# Allegro board pc053c_toplevel_33_movecvcc.brd (continued)
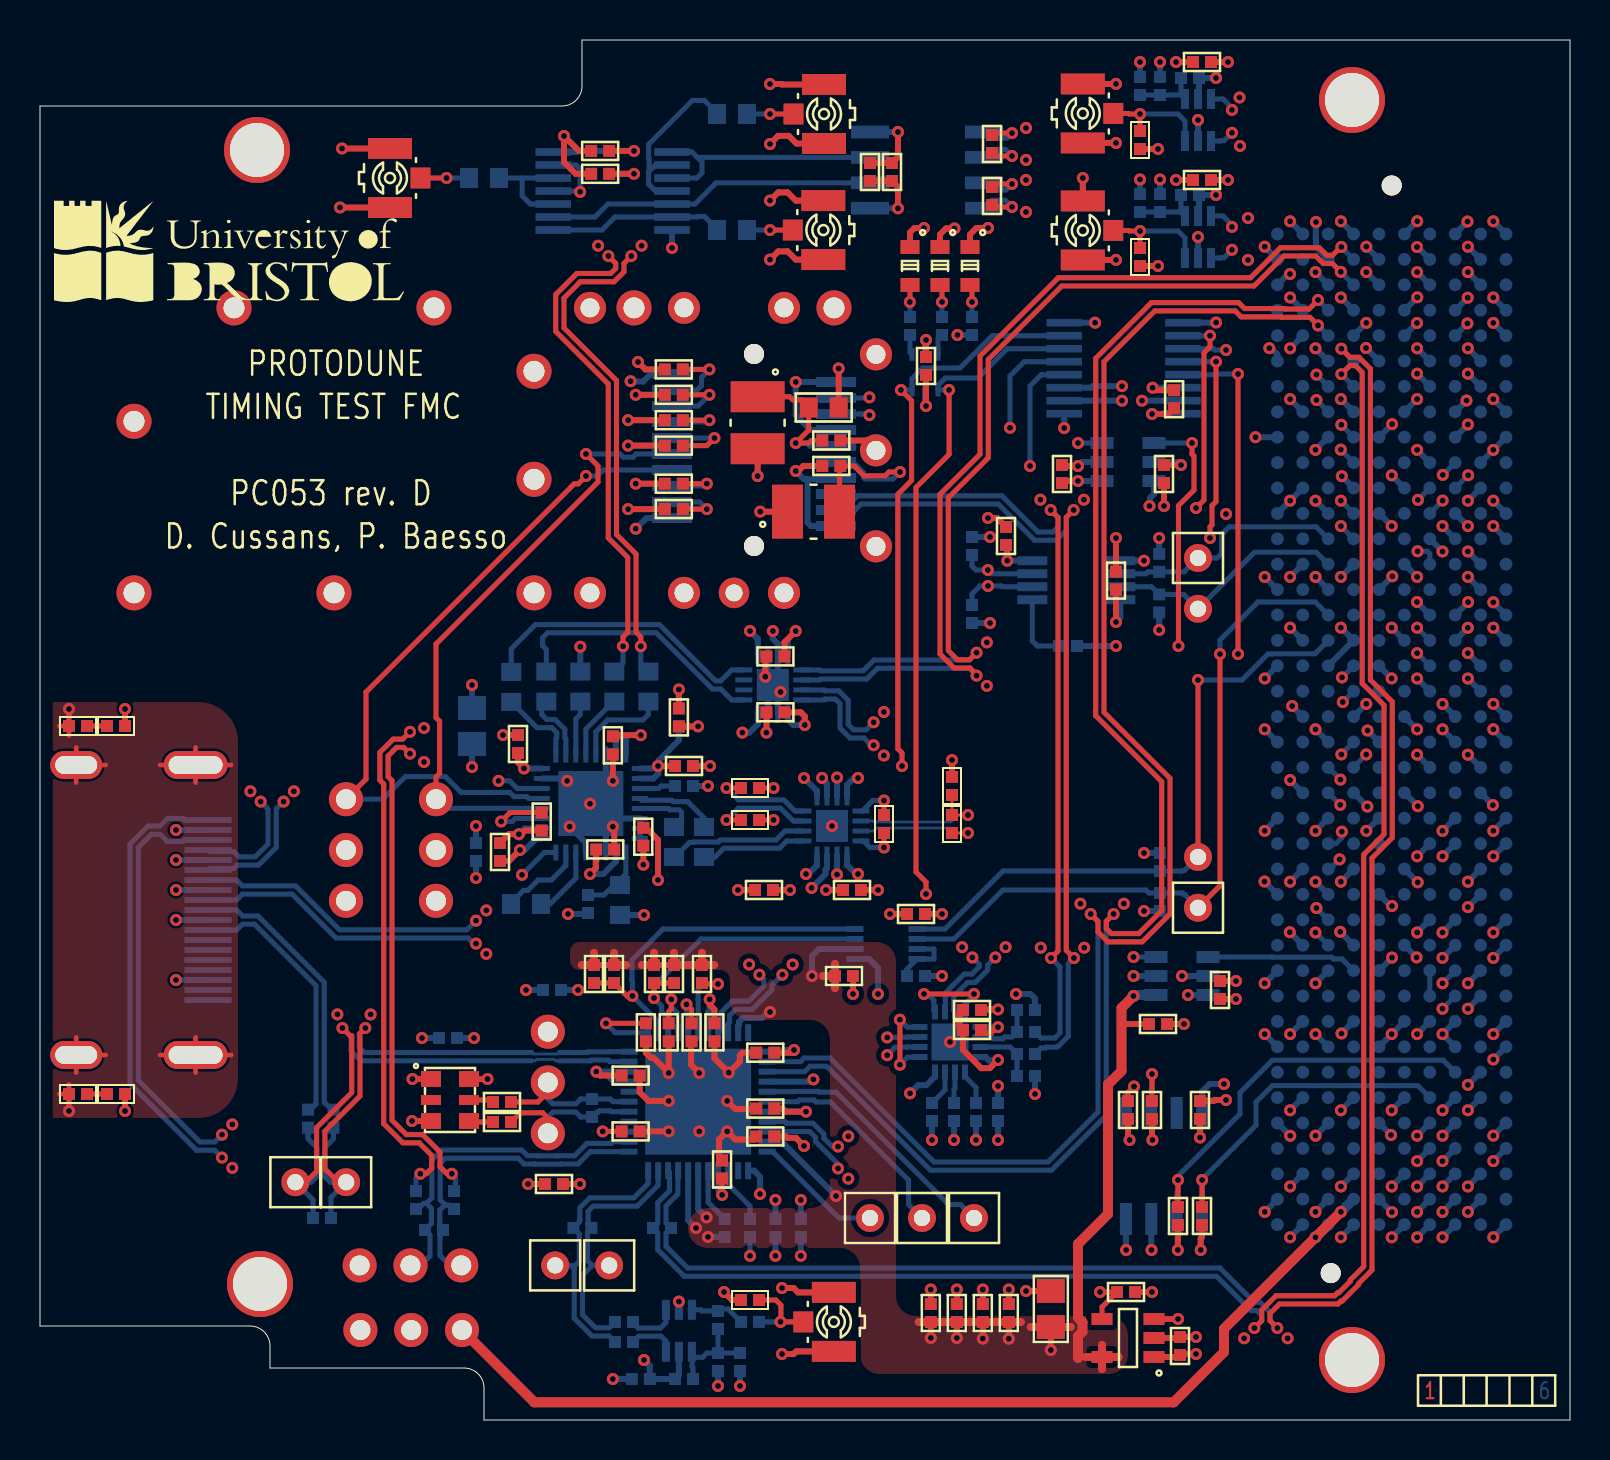
[diagram p0: board, top side]
## Routing (per net, layer and track width the routed paths; a pad name or vN(x,y) marks a point on that pad's centre or on a via; arc(x,y) is an arc through that point) (continued)
P12V: length 5
  L4_SIGN w0.3: v1(70.12,15.48) 70.93,14.68 70.93,13.75 v1(70.12,12.95)
  BOTTOM w0.3: P1.C37 v1(70.12,12.95) ; P1.C35 v1(70.12,15.48)
CDR_LOL: length 57
  TOP w0.254: v1(45.45,51.5) 45.45,48.28 43.8,46.63 43.8,27.4 44.3,26.9 v1(44.3,26.3)
  L3_SIGN w0.254: v1(44.3,26.3) 43.91,25.91 25.45,25.91 v1(24.1,27.26)
  BOTTOM w0.254: IC10.6 48.36,53.56 46.9,52.1 45.27,52.1 44.9,51.73 IC18.1 v1(45.45,51.5) ; v1(24.1,27.26) 25.22,28.38 IC12.16
CDR_LOS: length 53.1
  TOP w0.254: v1(43.1,32.7) 43.1,33.35 42.89,33.56 42.89,46.29 43.58,46.98 43.58,50.97 v1(43.05,51.5)
  L3_SIGN w0.254: v1(43.1,32.7) 42.55,32.7 42.25,32.4 41.42,32.4 41.14,32.68 41.12,32.68 41.1,32.7 39.61,32.7 39.61,32.7 36.9,32.7 35.22,31.02 28.58,31.02 28,31.6 26.82,31.6 26.52,31.3 23.58,31.3 v1(22.93,31.96)
  BOTTOM w0.254: 51.21,54.22 47.61,54.22 46,52.6 44.13,52.6 43.6,52.07 IC18.3 v1(43.05,51.5) ; v1(22.93,31.96) 23.48,31.96 23.86,31.58 IC12.22
CLK_IN0_N: length 14
  BOTTOM w0.254: 26.65,7.62 26.71,7.57 26.71,5.09 27.6,4.2 28.45,4.2 C26.2 ; 26.65,7.62 26.55,7.73 TP8.1 ; 26.65,7.62 26.97,7.94 26.97,9.31 R9.2 26.99,9.93 26.99,10.02 26.99,10.02 26.99,10.61 27.49,11.11 29.69,11.11 30.41,11.82 30.41,12.47
CLK_IN0_P: length 13.3
  BOTTOM w0.254: 27.61,7.73 27.37,7.97 27.37,9.41 R9.1 27.4,9.77 27.4,9.85 27.41,9.85 27.41,10.44 27.66,10.69 29.86,10.69 30.91,11.74 30.91,12.47 ; 27.61,7.73 27.12,7.24 27.12,5.26 27.77,4.61 28.47,4.61 28.75,4.89 C23.2 ; 27.61,7.73 TP7.1
CLK_IN1_N: length 17.5
  BOTTOM w0.254: J3.2 19.03,7.73 19.5,8.2 19.5,9.25 R11.1 19.57,9.82 19.57,9.87 19.57,9.87 19.57,10.58 19.32,10.83 ; 19.32,10.83 19.6,11.11 19.6,13 20.09,13.5 24.09,13.5 24.37,13.21 24.92,13.21 24.92,13.21 25.86,13.21 25.87,13.21 26.73,13.21 27.35,13.83 28.56,13.83 28.64,13.92 IC4.2 ; 19.32,10.83 19.18,10.83 18.9,10.55 C27.2
CLK_IN1_P: length 16.7
  BOTTOM w0.254: 20.27,10.75 20.41,10.75 20.61,10.55 C24.2 ; 20.27,10.75 20.01,11.01 20.01,12.83 20.26,13.09 23.91,13.09 24.2,12.8 24.74,12.8 24.75,12.79 26.03,12.79 26.04,12.8 26.9,12.8 27.52,13.42 IC4.1 ; 20.27,10.75 20.24,10.75 19.99,10.5 19.99,9.66 R11.2 20,9.35 20,8.23 20.5,7.73 J3.3
CLK_IN2_N: length 29.9
  TOP w0.254: v1(16.27,19.6) 16,19.33 16,16.2 14.24,14.45 14.24,12.55 14.91,11.89 TP6.1
  BOTTOM w0.14: 25.96,18.37 25.95,18.37 25.87,18.3 24.68,18.3 24.6,18.37 24.58,18.37
  BOTTOM w0.254: IC4.11 28.49,18.42 28.48,18.41 27.4,18.41 27.37,18.37 25.96,18.37 ; R8.2 14.55,11.13 TP6.1 14.52,11.89 14.24,12.16 14.24,13.63 14.67,14.06 C28.2 ; 24.58,18.37 16.21,18.37 15.96,18.63 15.96,19.29 v1(16.27,19.6)
CLK_IN2_P: length 30.9
  TOP w0.254: v1(15.12,19.6) 15.51,19.21 15.59,19.21 15.59,16.37 13.83,14.62 13.83,12.43 13.29,11.89 TP5.1
  BOTTOM w0.14: 24.58,17.96 24.76,17.96 24.83,18.03 25.72,18.03 25.79,17.96 25.96,17.96
  BOTTOM w0.254: C22.2 13.4,14.06 13.83,13.63 13.83,12.16 13.56,11.89 TP5.1 13.65,11.01 R8.1 ; 24.58,17.96 16.04,17.96 15.55,18.46 15.55,19.17 v1(15.12,19.6) ; IC4.10 28.49,17.92 28.41,18 27.58,18 27.54,17.96 25.96,17.96
CLK_RST: length 27.8
  TOP w0.254: R16.1 33.15,21.8 v1(33.9,21.8)
  L3_SIGN w0.254: v1(54.67,23.15) 54.02,22.5 46.1,22.5 45,23.6 35.07,23.6 33.9,22.43 v1(33.9,21.8)
  BOTTOM w0.25: IC16.3 v1(54.67,23.15)
  BOTTOM w0.254: v1(33.9,21.8) 33.16,21.8 32.9,21.55 32.9,21.02 32.9,20.05 32.91,20.05 IC4.17
CLK_SCL: length 15.4
  TOP w0.254: R14.1 R41.2 v1(30.7,21.1)
  BOTTOM w0.254: IC4.14 31.41,20.08 31.08,20.41 31.08,20.7 30.7,21.08 v1(30.7,21.1) 30.7,21.7 33.05,24.05 IC1.3
CLK_SDA: length 18.2
  TOP w0.254: R40.2 R15.1 29.35,21.2 v1(29.62,21.2)
  BOTTOM w0.254: IC1.4 31.15,24.55 29.6,23 29.6,22 29.62,21.98 v1(29.62,21.2) 30.91,19.91 IC4.13
CTRLVCC: length 0.9
  BOTTOM w0.3: P1.D32 v1(68.85,19.3)
CVCC: length 82.9
  TOP w0.3: C18.2 58.67,15.95 58.72,16 v1(59.3,16) ; C16.2 v1(53.8,44.1) ; R138.2 56.9,9.09 56.89,9.08 v1(56.89,8.5) ; R103.2 55.6,14.02 v1(55.62,14) ; R1328.2 58.1,9.14 58.03,9.08 v1(58.03,8.5) ; R39.2 54.4,14.08 v1(54.48,14) ; C68.2 v1(56.2,45.7) ; v1(55.6,50.3) 56.41,50.3 C61.2 ; C67.2 v1(59.8,21.05) ; C17.2 v1(45.1,25.3)
  TOP w0.5: J8.3 24.71,0.88 56.69,0.88 59.2,3.4 59.2,4.56 v1(63.77,9.13) v1(65.04,10.41)
  BOTTOM w0.3: 51.21,51.62 52.55,51.62 52.62,51.69 v1(54.1,51.69) ; v1(55.6,50.3) 56.1,50.3 56.11,50.31 IC10.16 ; v1(45.1,22.2) R1.2 ; v1(57.4,21.25) IC16.6 ; IC10.2 v1(54.1,50.97) ; R242.2 v1(55.2,28.35) ; IC2.8 58.1,16.43 58.48,16.8 v1(59.2,16.8) ; R43.2 v1(55.2,25.45) ; R142.2 v1(55.96,39.5) ; R143.2 v1(55.96,44.1) ; v1(53.8,38.7) R42.2 ; IC14.6 55.7,46.3 55.5,46.1 55.5,45.73 v1(55.47,45.7) ; IC15.1 v1(55.2,42.96)
  BOTTOM w0.5: P1.H40 v1(63.77,9.13) ; P1.G39 v1(65.04,10.41)
F_CDR_CLK_N: length 4
  BOTTOM w0.254: R55.1 24.85,34.62 25.58,34.62 25.84,34.36 25.84,34.11 25.79,34.06 IC12.25
F_CDR_CLK_P: length 3.5
  BOTTOM w0.254: R54.1 25.09,35.69 25.09,35.28 25.34,35.02 25.75,35.02 26.24,34.53 26.24,34.11 26.29,34.06 IC12.26
F_CDR_D_N: length 64.7
  TOP w0.254: v1(28.42,58.2) 28.79,57.83 28.79,57.58 28.53,57.33 26.84,57.33 25.79,56.27 25.79,54.43 28.41,51.8 28.41,44.1 29.39,43.13 29.39,39.39 29.15,39.15 v1(29.15,38.69)
  L3_SIGN w0.2: v1(63.82,51) 63.41,51.41 62.92,51.41 62.73,51.6 61.84,51.6 61.5,51.26 58.58,51.26 52.9,56.95 30.9,56.95 30.87,56.92 29.23,56.92 28.77,57.38 28.77,57.85 v1(28.42,58.2)
  BOTTOM w0.254: R53.2 29.15,37.86 v1(29.15,38.69) ; P1.H8 v1(63.82,51)
F_CDR_D_P: length 64
  TOP w0.254: v1(29.57,58.2) 29.2,57.83 29.2,57.41 28.7,56.91 27.01,56.91 26.2,56.1 26.2,54.6 28.83,51.97 28.83,44.27 29.8,43.3 29.8,39.39 30.04,39.15 v1(30.04,38.69)
  L3_SIGN w0.2: v1(29.57,58.2) 29.22,57.85 29.22,57.57 29.42,57.37 30.68,57.37 30.71,57.4 53.08,57.4 58.77,51.71 61.31,51.71 61.65,52.05 62.92,52.05 63.11,51.86 63.41,51.86 v1(63.82,52.27)
  BOTTOM w0.254: P1.H7 v1(63.82,52.27) ; R52.2 30.04,37.8 v1(30.04,38.69)
F_FMC_CLK_N: length 91.7
  TOP w0.254: v1(65.07,52.29) 65.49,52.72 65.77,52.72 66.11,52.39 66.11,36.83 67.2,35.74 67.2,29.29 66.19,28.27 66.19,7.67 65.52,7 65.52,6.94 64.94,6.36 64.88,6.36 64.73,6.21 61.8,6.21 61.09,5.5 61.09,4.97 v1(60.72,4.6)
  BOTTOM w0.254: P1.G7 v1(65.07,52.29) ; v1(60.72,4.6) 61.09,4.97 61.09,5.22 60.83,5.47 60.54,5.47 58.83,7.19 32.21,7.19 30.89,8.51 30.89,9.36 R18.1 30.89,9.84 30.89,10.87 31.48,11.46 31.48,12.4 31.41,12.47
F_FMC_CLK_P: length 92.3
  TOP w0.254: v1(61.87,4.6) 61.5,4.97 61.5,5.33 61.97,5.8 64.9,5.8 65.05,5.95 65.11,5.95 65.93,6.77 65.93,6.83 66.6,7.5 66.6,28.1 67.61,29.11 67.61,35.91 66.52,37 66.52,52.56 65.95,53.14 65.49,53.14 v1(65.07,53.56)
  BOTTOM w0.254: P1.G6 v1(65.07,53.56) ; v1(61.87,4.6) 61.5,4.97 61.5,5.39 61,5.89 60.71,5.89 59,7.6 32.39,7.6 31.3,8.69 31.3,9.35 R18.2 31.3,9.85 31.3,10.7 31.89,11.29 31.89,12.45 31.91,12.47
F_GPIO_OUT0_N: length 27.6
  TOP w0.254: v1(48.6,60.65) 47.75,60.65 47.65,60.75 R45.1
  L4_SIGN w0.2: v1(65.04,48.52) 64.65,48.92 64.18,48.93 63.77,49.35 62.35,49.35 60.43,51.27 60.43,54.93 55.09,60.27 54.74,60.27 54.01,61 48.95,61 v1(48.6,60.65)
  BOTTOM w0.254: IC8.4 47.6,60.99 48.26,60.99 v1(48.6,60.65) ; P1.G10 65.04,48.51 v1(65.04,48.52)
F_GPIO_OUT0_P: length 27.5
  TOP w0.254: v1(48.6,61.8) 47.75,61.8 R45.2
  L4_SIGN w0.2: v1(65.07,49.76) 64.66,49.37 64.38,49.38 63.96,49.8 62.54,49.8 60.88,51.46 60.88,55.12 55.28,60.72 54.93,60.72 54.2,61.45 48.95,61.45 v1(48.6,61.8)
  BOTTOM w0.254: IC8.3 47.56,61.5 48.3,61.5 v1(48.6,61.8) ; P1.G9 65.07,49.75 v1(65.07,49.76)
F_GPIO_OUT1_N: length 68.8
  TOP w0.254: v1(48.6,64.35) 47.7,64.35 R46.1
  L4_SIGN w0.2: v1(65.01,30.76) 65.48,31.22 72.02,31.22 74.62,33.82 74.62,60.58 72.07,63.13 56.23,63.13 56.12,63.02 55.68,63.02 55.57,63.13 51.37,63.13 50.5,64 48.95,64 v1(48.6,64.35)
  BOTTOM w0.254: P1.H23 v1(65.01,30.76) ; IC8.1 47.5,64.1 48.35,64.1 v1(48.6,64.35)
F_GPIO_OUT1_P: length 67.4
  TOP w0.254: R46.2 47.75,63.2 v1(48.6,63.2)
  L4_SIGN w0.2: v1(65.02,32.02) 65.36,31.67 71.83,31.67 74.16,34.01 74.16,60.39 71.88,62.68 56.42,62.68 56.31,62.57 55.49,62.57 55.38,62.68 51.18,62.68 50.31,63.55 48.95,63.55 v1(48.6,63.2)
  BOTTOM w0.254: P1.H22 v1(65.02,32.02) ; v1(48.6,63.2) 48.27,63.53 47.6,63.53 IC8.2
F_MCX_CLK_N: length 2.4
  BOTTOM w0.254: IC5.6 31.29,3.95 31.05,4.19 29.94,4.19 C26.1
F_MCX_CLK_P: length 2.6
  BOTTOM w0.254: IC5.1 31.29,4.87 31.03,4.6 29.9,4.6 29.65,4.85 C23.1
F_RJ45_CLK_N: length 13.9
  BOTTOM w0.254: J7.10 9.83,25.5 10.13,25.2 10.9,25.2 14.21,21.89 14.21,15.89 14.58,15.52 14.67,15.52
F_RJ45_CLK_P: length 13.2
  BOTTOM w0.254: J7.12 9.83,24.5 10.12,24.79 10.73,24.79 13.8,21.71 13.8,15.8 13.51,15.52 13.4,15.52
F_RJ45_D_N: length 64.4
  L3_SIGN w0.2: v1(12.18,30.92) 11.83,31.27 11.83,33.13 13.93,35.23 19.15,35.23 19.17,35.25 19.63,35.25 19.65,35.23 37.28,35.23 38,35.95 45.45,35.95 45.7,35.7 46.93,35.7 61.54,35.7 62.13,36.29 64.71,36.29 65.1,35.9 v1(65.14,35.9)
  BOTTOM w0.254: J7.6 8.47,27.57 8.58,27.57 8.59,27.58 9.69,27.58 9.85,27.74 10.93,27.74 11.81,28.63 11.81,30.55 v1(12.18,30.92) ; P1.G19 v1(65.14,35.9)
F_RJ45_D_P: length 64.6
  L3_SIGN w0.2: v1(11.03,30.92) 11.38,31.27 11.38,33.32 13.74,35.69 18.96,35.69 18.98,35.71 19.82,35.71 19.84,35.69 37.09,35.69 37.81,36.41 45.64,36.41 45.89,36.15 47.11,36.15 61.35,36.15 61.94,36.74 64.71,36.74 v1(65.1,37.13)
  BOTTOM w0.254: P1.G18 v1(65.1,37.13) ; J7.4 8.47,28.43 8.58,28.43 8.59,28.42 9.69,28.42 9.95,28.16 10.76,28.16 11.4,28.8 11.4,30.55 v1(11.03,30.92)
F_SFP_N: length 29.9
  TOP w0.254: R60.1 v1(42.2,28.62)
  L4_SIGN w0.2: v1(42.2,28.62) 42.2,29.35 42.4,29.55 43.45,29.55 44.65,30.75 44.65,49.29 43.03,50.92 42.14,50.92 41.92,51.13 v1(41.47,51.13)
  BOTTOM w0.254: IC13.4 41.17,28.95 41.5,28.62 v1(42.2,28.62) ; v1(41.47,51.13) 41.44,51.1 J4.12
F_SFP_P: length 28.5
  TOP w0.254: R60.2 v1(42.2,30.98)
  L4_SIGN w0.2: v1(42.2,30.98) 42.2,30.31 42.51,30 43.26,30 44.2,30.94 44.2,49.1 42.84,50.46 42.14,50.46 41.92,50.24 v1(41.47,50.24)
  BOTTOM w0.254: v1(42.2,30.98) 41.65,30.98 41.12,30.45 IC13.1 ; v1(41.47,50.24) 41.41,50.3 41.04,50.3 J4.13
FMC_GA0: length 20.7
  TOP w0.254: R138.1 v1(56.9,12)
  BOTTOM w0.254: IC2.2 56.83,11.38 56.9,11.45 v1(56.9,12) 56.9,12.2 60,15.3 60,16.37 61.62,17.99 70.16,17.99 P1.C34
FMC_GA1: length 17.6
  TOP w0.254: R1328.1 58.1,11.2 58.1,11.21 v1(58.1,12)
  BOTTOM w0.254: IC2.1 v1(58.1,12) 58.12,12.01 58.12,12.05 60.8,14.74 60.8,15.9 61.62,16.72 63.39,16.72 63.39,16.72 64.16,16.72 64.16,16.72 64.66,16.72 64.66,16.72 65.43,16.72 65.43,16.72 65.93,16.72 65.93,16.72 66.7,16.72 66.7,16.72 67.2,16.72 67.2,16.72 67.97,16.72 67.97,16.72 68.47,16.72 68.47,16.72 68.89,16.72 P1.D35
FMC_LA07_N: length 12.3
  BOTTOM w0.254: P1.H14 63.81,43.39 60.73,43.39 TP2.1 57.18,41.28 R142.1 55.57,41.66 IC15.3
FMC_LA07_P: length 12.2
  BOTTOM w0.254: IC15.2 55.31,42.31 55.4,42.41 R143.1 57.21,42.41 TP4.1 58.85,43.1 59.08,43.33 59.08,44.28 59.46,44.66 63.81,44.66 P1.H13
FMC_LA11_N: length 31.7
  TOP w0.254: TP1.1 v1(57.9,37)
  BOTTOM w0.254: v1(57.9,37) 60.1,37 61.4,38.3 61.61,38.3 61.62,38.31 63.75,38.31 64.41,38.97 P1.H17 ; IC1.5 45.25,24.55 48.15,27.45 R242.1 57.15,27.45 57.17,27.48 57.23,27.48 TP1.1
FMC_LA11_P: length 35.7
  TOP w0.254: TP3.1 59,26.71 v1(59,38.3)
  BOTTOM w0.254: IC1.6 45.69,24.05 48.14,26.5 55.3,26.5 55.45,26.35 R43.1 57.11,26.35 57.17,26.29 57.23,26.29 TP3.1 ; v1(59,38.3) 59,39 60.9,40.9 63.76,40.9 P1.H16
FMC_SCL: length 62
  TOP w0.254: v1(55.6,17.3) R103.1
  L3_SIGN w0.254: J5.3 19.8,24.8 23.8,20.8 28.6,20.8 29.9,19.5 39.1,19.5 42.9,15.7 50.62,15.7 52.11,17.18 52.89,17.18 53,17.3 v1(55.6,17.3) 57.1,17.3 61,21.2 67.04,21.2 67.67,21.84 v1(70.12,21.84)
  BOTTOM w0.254: v1(55.6,17.3) 55.6,16.59 55.56,16.55 IC2.6 ; P1.C30 v1(70.12,21.84)
FMC_SDA: length 65.2
  TOP w0.254: v1(54.7,16.68) 54.4,16.38 R39.1
  L3_SIGN w0.254: v1(70.12,20.57) 61.69,20.57 57.8,16.68 v1(54.7,16.68) 52.54,16.68 50.46,14.6 41.9,14.6 40.05,16.45 38.43,16.45 38.18,16.7 27.16,16.7 25.66,18.2 24.16,18.2 16.4,25.96 J6.3
  BOTTOM w0.254: v1(54.7,16.68) 54.29,16.27 IC2.5 ; P1.C31 v1(70.12,20.57)
FPGA_CDR_LOL: length 17.4
  L3_SIGN w0.254: v1(59.3,45.3) 60.23,45.3 60.24,45.29 64.37,45.29 v1(65.04,45.97)
  L4_SIGN w0.254: v1(59.3,45.3) 59.3,52.6 59.38,52.68 59.38,53.15 59.3,53.23 v1(59.3,53.5)
  BOTTOM w0.254: IC10.11 58.68,53.56 58.75,53.5 v1(59.3,53.5) ; P1.G12 v1(65.04,45.97)
FPGA_CDR_LOS: length 18.8
  TOP w0.254: v1(58.5,54.22) 58.5,53.66 58.2,53.36 58.2,46 v1(57.8,45.6)
  L3_SIGN w0.254: v1(65.04,44.7) 60.1,44.7 60.08,44.72 58.68,44.72 v1(57.8,45.6)
  BOTTOM w0.254: P1.G13 v1(65.04,44.7) ; v1(58.5,54.22) 57.15,54.22
FPGA_CLK_RST: length 7.6
  BOTTOM w0.254: IC16.4 61.61,23.15 61.62,23.14 64.59,23.14 64.68,23.05 65.1,23.05 P1.G30
FPGA_SFP_LOS: length 22.4
  TOP w0.254: v1(58.8,52.91) 58.8,45.92 58.6,45.72 58.6,44.75 58.5,44.65 v1(58.5,44.1)
  L3_SIGN w0.254: v1(68.88,43.44) 68.32,43.44 68.26,43.5 59.65,43.5 59.05,44.1 v1(58.5,44.1)
  BOTTOM w0.254: IC10.12 v1(58.8,52.91) ; P1.D14 69.49,43.31 69.37,43.44 v1(68.88,43.44)
FPGA_SFP_TX_DIS: length 25.7
  TOP w0.254: v1(56.92,38.7) 56.92,45.72 57.7,46.5 57.7,48.2 57.6,48.3 v1(57.6,48.85)
  L3_SIGN w0.254: 68.81,39.62 v1(68.85,39.62) 68.12,38.88 57.68,38.88 57.5,38.7 v1(56.92,38.7)
  BOTTOM w0.254: v1(57.6,48.85) IC14.4 ; P1.D17 v1(68.85,39.62)
FPGA_SFP_TX_FLT: length 26.6
  TOP w0.254: v1(59.9,52.3) v1(59.9,38.3)
  L3_SIGN w0.254: v1(59.9,38.3) 60.45,38.3 60.5,38.34 v1(68.85,38.34)
  BOTTOM w0.254: P1.D18 v1(68.85,38.34) ; IC10.13 58.81,52.27 58.85,52.3 v1(59.9,52.3)
GPIO_IN0_N: length 29.6
  L3_SIGN w0.2: v1(59.6,65.5) 59.94,65.16 63.75,65.16 64.81,64.1 68.1,64.1 70.73,61.47 70.73,48.41 71.01,48.13 71.01,47.78 71.01,47.65 v1(71.41,47.24)
  BOTTOM w0.254: P1.C11 71.41,47.25 v1(71.41,47.24) ; v1(59.6,65.5) 59.6,65.6 59.15,66.05 IC6.6
GPIO_IN0_P: length 28.7
  L3_SIGN w0.2: v1(59.6,64.36) 59.94,64.7 63.56,64.7 64.62,63.64 67.91,63.64 70.28,61.28 70.28,48.22 70.56,47.94 70.55,47.66 v1(70.14,47.26)
  BOTTOM w0.254: P1.C10 70.14,47.25 v1(70.14,47.26) ; v1(59.6,64.36) 59.21,63.97 59.02,63.97 59,63.95 IC6.1
GPIO_IN1_N: length 26.4
  L3_SIGN w0.2: v1(59.6,59.65) 59.94,59.31 60.46,59.31 62.09,60.94 66.06,60.94 67.85,59.15 67.85,51.19 69.9,49.14 69.9,47.8 69.59,47.49 69.59,47.03 69.75,46.86 69.75,46.37 v1(70.13,45.97)
  BOTTOM w0.254: IC7.6 59.15,60.2 59.6,59.75 v1(59.6,59.65) ; v1(70.13,45.97) P1.D12
GPIO_IN1_P: length 25.5
  L3_SIGN w0.2: v1(59.6,58.51) 59.94,58.85 60.64,58.85 62.28,60.49 65.87,60.49 67.4,58.96 67.4,51 69.45,48.95 69.45,47.99 69.13,47.67 69.13,46.84 69.3,46.68 69.3,46.38 v1(68.89,46.01)
  BOTTOM w0.254: v1(68.89,46.01) P1.D11 ; IC7.1 59,58.1 59.02,58.12 59.21,58.12 v1(59.6,58.51)
IN_N: length 4.1
  BOTTOM w0.254: IC12.4 30.08,30.99 31.59,30.99 31.66,30.92 32.38,30.92 33.2,30.1 C44.2
IN_P: length 3.1
  BOTTOM w0.254: IC12.5 29.99,30.57 31.42,30.57 31.49,30.51 31.96,30.51 32.08,30.39 32.08,30.03 C43.2
IN_SEL0: length 2.3
  TOP w0.254: R17.2 v1(28.13,14.43)
  BOTTOM w0.254: IC4.3 29.44,14.43 v1(28.13,14.43)
IN_SEL1: length 2.1
  TOP w0.254: R19.2 v1(34.1,11.26)
  BOTTOM w0.254: v1(34.1,11.26) 33.91,11.45 33.91,12.47
Net_87:
  vias: v1(45.5,18.9)
OSC_CLK_N: length 7.7
  TOP w0.254: J2.2 25.39,16.4 24.89,15.9 C25.2
  BOTTOM w0.254: IC4.6 28.65,15.92 28.51,16.05 R7.2 27.03,16.05 26.8,15.81 25.64,15.81 25.39,16.07 J2.2
OSC_CLK_P: length 8.1
  TOP w0.254: J2.3 25.39,15.1 25.14,15.36 24.01,15.36 C21.2
  BOTTOM w0.254: IC4.5 28.57,15.42 28.52,15.46 27.98,15.46 27.91,15.39 27.84,15.39 R7.1 27.03,15.15 26.79,15.4 25.65,15.4 25.39,15.14 J2.3
REC_CLK_N: length 55.2
  TOP w0.254: v1(18.5,34.41) 18.13,34.04 17.66,34.04 16.99,33.38 16.99,31.99 17.19,31.8 17.19,14.81 18.14,13.86 18.96,13.86 19.59,13.23 19.59,12.59 19.31,12.31 v1(19.02,12.31)
  L3_SIGN w0.2: v1(41.68,34.89) 41.68,34.78 41.44,34.54 39.64,34.54 38.81,33.71 30.28,33.71 30.27,33.69 29.81,33.69 29.8,33.7 22.92,33.7 22.91,33.71 21.64,33.71 21.4,33.94 19.46,33.94 19.35,34.05 18.97,34.05 18.61,34.41 v1(18.5,34.41)
  BOTTOM w0.254: C27.1 18.8,12.1 v1(19.02,12.31) ; IC17.11 39.19,36.5 39.23,36.46 39.94,36.46 40.41,35.99 40.41,34.77 40.67,34.51 41.31,34.51 v1(41.68,34.89)
REC_CLK_P: length 54.3
  TOP w0.254: v1(18.5,33.32) 18.19,33.63 17.83,33.63 17.41,33.21 17.41,32.16 17.6,31.97 17.6,14.99 18.31,14.27 19.13,14.27 20,13.4 20,12.67 20.35,12.31 v1(20.59,12.31)
  L3_SIGN w0.2: v1(41.68,33.74) 41.56,33.74 41.21,34.09 39.83,34.09 38.99,33.25 30.47,33.25 30.46,33.24 29.62,33.24 29.62,33.24 22.73,33.24 22.73,33.25 21.45,33.25 21.21,33.49 18.99,33.49 18.82,33.32 v1(18.5,33.32)
  BOTTOM w0.254: C24.1 20.78,11.53 20.78,12.12 v1(20.59,12.31) ; v1(41.68,33.74) 41.56,33.74 41.2,34.1 40.5,34.1 40,34.6 40,35.82 39.77,36.05 39.23,36.05 39.19,36 IC17.12
S_CLK_IN: length 4.3
  TOP w0.254: R27.2 36.79,6 37.04,5.75 37.04,4.91 ; PX1.1 37.04,4.91 ; 37.04,4.91 v1(37.02,4.91)
  BOTTOM w0.254: v1(37.02,4.91) C50.1
S_GPIO_IN0: length 5.6
  TOP w0.25: PX2.1 54.42,65.33 54.45,65.3 v1(55,65.3) R30.2
  BOTTOM w0.25: v1(55,65.3) 56.9,65.3 57.25,64.95 IC6.3
S_GPIO_IN1: length 5.6
  TOP w0.25: R31.2 v1(55,59.45) 54.45,59.45 54.42,59.48 PX3.1
  BOTTOM w0.25: IC7.3 57.25,59.1 56.9,59.45 v1(55,59.45)
SFP_LOS: length 24.7
  TOP w0.254: 32.14,51.26 v1(33.47,51.26)
  L3_SIGN w0.254: v1(48.5,49.61) 36.77,49.61 35.12,51.26 v1(33.47,51.26)
  BOTTOM w0.254: v1(33.47,51.26) 32.91,50.7 J4.8 ; IC10.5 49.21,52.91 48.5,52.2 v1(48.5,49.61)
SFP_SCL: length 59.2
  TOP w0.254: J5.1 19.8,32.14 19.98,32.32 19.98,34.94 19.8,35.12 19.8,38.8 27.9,46.9 27.9,47.7 v1(27.3,48.3)
  L3_SIGN w0.254: v1(47.39,42.5) 29.8,42.5 28.4,43.9 28.4,47.4 27.89,47.91 27.69,47.91 v1(27.3,48.3)
  BOTTOM w0.254: J4.5 29.8,48.3 29.64,48.14 29.17,48.14 29.01,48.3 v1(27.3,48.3) ; IC15.7 47.58,42.31 v1(47.39,42.5) 46.8,42.5 46.6,42.7 R411.2 ; IC12.20 24.44,30.58 24.43,30.58 20.26,30.58 J5.1
SFP_SDA: length 66
  TOP w0.254: J6.1 16.3,32.04 16.3,36.4 26.71,46.81 26.91,46.81 v1(27.3,47.2)
  L3_SIGN w0.254: v1(47.4,41.7) 43.7,41.7 42.2,40.2 30.5,40.2 27.4,43.3 27.4,46.55 27.3,46.65 v1(27.3,47.2)
  BOTTOM w0.254: R140.2 46.6,41.3 47,41.7 v1(47.4,41.7) 48.06,41.7 48.1,41.66 IC15.6 ; J4.4 28.15,47.5 27.85,47.2 v1(27.3,47.2) ; J6.1 17.14,31.04 18.27,32.17 20.27,32.17 21.06,31.38 23.49,31.38 23.69,31.17 24.34,31.17 24.44,31.08 IC12.21
SFP_TX_DISABLE: length 23.8
  TOP w0.254: v1(33.34,46.81) 32.14,46.81
  L3_SIGN w0.254: v1(51.9,48.85) 48.75,48.85 46.5,46.6 34.11,46.6 33.9,46.81 v1(33.34,46.81)
  BOTTOM w0.254: J4.3 33.23,46.7 v1(33.34,46.81) ; IC14.3 v1(51.9,48.85)
SFP_TX_FAULT: length 26.1
  TOP w0.254: 32.14,45.55 v1(33.34,45.55)
  L3_SIGN w0.254: v1(49.5,47.7) 47.8,46 33.8,46 v1(33.34,45.55)
  BOTTOM w0.254: IC10.4 50.06,52.27 49.5,51.7 v1(49.5,47.7) ; v1(33.34,45.55) 32.99,45.9 J4.2
SY5860_IN_N: length 14.7
  BOTTOM w0.254: R55.2 23.56,38.56 24.77,39.77 30.97,39.77 33.79,36.96 34.04,36.96 34.59,37.5 IC17.4
SY5860_IN_P: length 13.3
  BOTTOM w0.254: R54.2 25.32,38.53 25.13,38.72 25.13,39.11 25.38,39.37 30.8,39.37 33.62,36.55 34.04,36.55 34.59,36 IC17.1
T_CDR_N: length 5.3
  BOTTOM w0.254: IC13.9 37.34,28.95 36.97,28.59 34.19,28.59 33.75,28.15 C44.1
T_CDR_P: length 7
  BOTTOM w0.254: IC13.10 37.25,29.45 36.8,29 34.01,29 33.91,28.9 32.7,28.9 32.68,28.88 32.48,28.88 31.75,28.15 C43.1
T_FFD_CLK_N: length 14.5
  L3_SIGN w0.2: v1(35.97,22.26) 36.21,22.02 36.21,21.8 36.32,21.69 36.32,21.45 36.72,21.05 36.73,21.05 37.18,20.6 39.1,20.6 41.1,18.6 42,18.6 v1(42.36,18.24)
  BOTTOM w0.254: IC3.2 43.37,18.65 43.36,18.64 42.76,18.64 v1(42.36,18.24) ; v1(35.97,22.26) 36.19,22.05 36.19,21.69 35.44,20.94 34.79,20.94 34.78,20.94 34.61,20.94 34.06,20.39 34.06,20.05 33.99,19.98 33.99,19.92 33.98,19.91 33.98,19.44 IC4.19
T_FFD_CLK_P: length 13.6
  L3_SIGN w0.2: v1(42.36,19.13) 42.13,19.13 42.05,19.05 41.29,19.05 39.29,21.05 37.37,21.05 36.92,21.51 36.91,21.51 36.78,21.64 36.78,21.92 v1(37.12,22.26)
  BOTTOM w0.254: v1(37.12,22.26) 36.6,21.75 36.6,21.52 35.61,20.53 34.96,20.53 34.95,20.52 34.78,20.52 34.48,20.22 34.48,19.88 34.41,19.81 34.41,19.75 34.39,19.74 34.39,19.38 IC4.20 ; v1(42.36,19.13) 42.91,19.13 42.93,19.14 43.36,19.14 43.37,19.15 IC3.3
T_FFD_D_N: length 33.7
  L4_SIGN w0.2: v1(66.31,33.28) 65.92,33.67 65.92,33.93 65.45,34.4 64.66,34.4 64.21,33.95 50.61,33.95 46.97,30.31 46.97,23.47 v1(46.62,23.13)
  BOTTOM w0.254: P1.G22 65.68,32.65 v1(66.31,33.28) ; v1(46.62,23.13) 46.97,22.78 46.97,22.67 46.59,22.29 46.21,22.29 45.26,21.35 45.26,20.41 IC3.6
T_FFD_D_P: length 32.2
  L4_SIGN w0.2: v1(47.77,23.13) 47.42,23.47 47.42,30.12 50.8,33.5 64.4,33.5 64.85,33.95 65.26,33.95 65.46,33.75 65.46,33.67 v1(65.07,33.28)
  BOTTOM w0.254: v1(65.07,33.28) 65.07,33.29 P1.G21 ; IC3.7 45.68,20.47 45.68,21.18 46.38,21.88 46.76,21.88 47.38,22.5 47.38,22.74 v1(47.77,23.13)
T_FMC_CLK_N: length 77
  TOP w0.254: v1(52.53,25.3) 52.9,24.93 52.9,24.4 53.4,23.91 55.11,23.91 56.5,25.3 56.5,32.09 53.2,35.39 53.2,52.91 55.74,55.45 59.76,55.45 60.06,55.16 62.07,55.16 62.09,55.13 63.5,55.13 v1(63.9,54.73)
  BOTTOM w0.254: IC4.24 38.03,17.92 38.21,18.1 39.5,18.1 44.7,12.9 50.4,12.9 52.9,15.4 52.9,24.93 v1(52.53,25.3) ; P1.H5 v1(63.9,54.73)
T_FMC_CLK_P: length 77.1
  TOP w0.254: v1(63.9,56) 63.45,55.55 62.27,55.55 62.24,55.57 60.23,55.57 59.93,55.87 55.57,55.87 52.79,53.09 52.79,35.21 56.09,31.91 56.09,25.47 54.93,24.32 53.57,24.32 53.31,24.57 53.31,24.93 v1(53.68,25.3)
  BOTTOM w0.254: P1.H4 v1(63.9,56) ; v1(53.68,25.3) 53.31,24.93 53.31,15.23 50.57,12.49 44.53,12.49 39.33,17.69 38.5,17.69 38.23,17.42 IC4.25
T_FMC_N: length 32
  TOP w0.254: R59.2 v1(36.68,30)
  L3_SIGN w0.2: v1(36.68,30) 37.2,30 38,30.8 41.14,30.8 41.89,31.55 60.26,31.55 63.36,28.45 63.41,28.45 63.47,28.39 64.13,28.39 64.19,28.45 64.63,28.45 v1(64.98,28.03)
  BOTTOM w0.254: v1(64.98,28.03) 64.5,27.55 P1.H26
T_FMC_P: length 32.2
  TOP w0.254: R58.2 v1(36.68,31.6)
  L3_SIGN w0.2: v1(65.09,29.42) 64.49,28.9 64,28.9 63.94,28.84 63.66,28.84 63.6,28.9 63.55,28.9 60.45,32 41.7,32 40.95,31.25 37.55,31.25 37.2,31.6 v1(36.68,31.6)
  BOTTOM w0.254: P1.H25 64.8,28.82 65.09,29.12 v1(65.09,29.42)
T_FMC_REC_CLK_N: length 47.3
  TOP w0.254: v1(65.04,57.41) 64.63,57.82 64.17,57.82 63.79,58.2 62.2,58.2 60.7,56.7 51.09,56.7 47.41,53.03 47.41,48.11 45.41,46.11 45.41,38.47 45.87,38.01 46.48,38.01 v1(46.83,38.37)
  BOTTOM w0.254: P1.G3 65.04,57.4 v1(65.04,57.41) ; IC17.9 38.98,37.5 39.02,37.46 41.16,37.46 41.7,38 46.46,38 v1(46.83,38.37)
T_FMC_REC_CLK_P: length 48.7
  TOP w0.254: v1(65.07,58.65) 65.04,58.65 64.63,58.24 64.34,58.24 63.96,58.61 62.03,58.61 60.53,57.11 50.91,57.11 47,53.2 47,48.29 45,46.29 45,38.3 45.7,37.6 46.5,37.6 46.83,37.27 v1(46.83,37.22)
  BOTTOM w0.254: v1(65.07,58.65) 65.27,58.45 65.28,58.43 P1.G2 ; IC17.10 38.98,37 39.02,37.05 41.33,37.05 41.87,37.59 46.46,37.59 v1(46.83,37.22)
T_MCX_CLK: length 75.2
  L4_SIGN w0.254: v1(35.5,8.21) 30.89,8.21 30.27,8.83 25.77,8.83 17.08,17.52 17.08,48.97 27,58.89 v1(27,61.41)
  BOTTOM w0.254: IC9.11 26.96,61.45 v1(27,61.41) 27,62.55 26.8,62.75 IC9.13 ; R26.2 v1(35.5,8.21)
T_RJ45_CLK_N: length 57
  L3_SIGN w0.2: v1(39.9,13.67) 39.58,13.35 38.99,13.35 38.64,13 25.17,13 24.25,13.92 9.45,13.92 v1(9.1,14.27)
  BOTTOM w0.254: v1(9.1,14.27) 8.73,13.9 8,13.9 4.91,16.99 4.91,28.63 5.57,29.29 6,29.29 6.36,28.92 7.15,28.92 7.22,29 J7.3 ; v1(39.9,13.67) 39.61,13.67 39.19,14.09 39.19,14.3 38.65,14.84 37.32,14.84 37.25,14.92 IC4.30
T_RJ45_CLK_P: length 58.7
  L3_SIGN w0.2: v1(39.9,12.58) 39.58,12.9 39.18,12.9 38.83,12.55 24.98,12.55 24.06,13.47 9.45,13.47 v1(9.1,13.12)
  BOTTOM w0.254: J7.1 7.22,30 7.15,30.08 6.38,30.08 6,29.7 5.4,29.7 4.5,28.8 4.5,16.81 7.83,13.49 8.73,13.49 v1(9.1,13.12) ; v1(39.9,12.58) 39.9,12.8 38.78,13.92 38.78,14.12 38.48,14.42 37.25,14.42 37.25,14.42 IC4.31
T_RJ45_D_N: length 58.1
  L3_SIGN w0.2: v1(21.8,23.82) 22,23.82 22.21,24.03 22.61,24.19 60.69,24.19 61.44,24.94 62.76,24.94 62.91,24.78 63.39,24.78 v1(63.77,24.38)
  BOTTOM w0.254: P1.H29 v1(63.77,24.38) ; v1(21.8,23.82) 21.68,23.82 21.4,24.1 14.8,24.1 12.61,26.29 10.12,26.29 9.83,26 J7.9
T_RJ45_D_P: length 58.1
  L3_SIGN w0.2: v1(63.82,25.6) 63.43,25.24 63.1,25.24 62.95,25.4 61.25,25.4 60.51,24.65 22.19,24.65 22.15,24.61 v1(21.8,24.97)
  BOTTOM w0.254: J7.7 9.83,27 10.12,26.71 12.78,26.71 14.97,24.51 21.35,24.51 v1(21.8,24.97) ; P1.H28 v1(63.82,25.6)
T_SFP_N: length 42.5
  TOP w0.254: v1(51.7,23.1) 51.31,23.48 51.31,45.13 v1(51.68,45.5)
  BOTTOM w0.254: v1(51.7,23.1) 51.41,22.82 51.41,19.18 50.92,18.69 50.88,18.69 50.83,18.64 50.3,18.64 50.26,18.6 50.05,18.6 C2.2 ; J4.19 40.75,45.5 41.05,45.8 47.91,45.8 49.73,43.99 50.82,43.99 51.31,44.48 51.31,45.13 v1(51.68,45.5)
T_SFP_P: length 41.3
  TOP w0.254: v1(50.55,23.1) 50.9,23.45 50.9,45.13 v1(50.53,45.5)
  BOTTOM w0.254: J4.18 40.07,46.03 40.7,46.03 40.88,46.21 48.09,46.21 49.9,44.4 50.65,44.4 50.9,44.65 50.9,45.13 v1(50.53,45.5) ; C1.2 50.05,19.1 50.75,19.1 51,19.35 51,22.65 v1(50.55,23.1)
UNNAMED_2_CON400P40ABCDEFGHJK_I: length 1.3
  BOTTOM w0.254: P1.D30 P1.D31
UNNAMED_2_PCA9306_I276_EN: length 3.3
  BOTTOM w0.254: IC1.7 44.7,23.55 44.7,23.05 44.7,23.05 IC1.8 43.35,22.55 R1.1
UNNAMED_2_PCA9517_I162_EN: length 3.5
  BOTTOM w0.254: IC15.5 49.61,38.95 49.87,38.7 R42.1
UNNAMED_3_CAPCERSMDCL2_I315_A: length 3.1
  BOTTOM w0.254: IC3.10 47.57,19.15 47.66,19.06 48.14,19.06 48.23,19.15 48.6,19.15 C1.1 R5.2
UNNAMED_3_CAPCERSMDCL2_I316_A: length 3.1
  BOTTOM w0.254: R6.2 C2.1 48.5,18.65 IC3.11
UNNAMED_3_NBSG53A_I298_OLS: length 1.8
  BOTTOM w0.254: R3.1 46.8,16.62 46.25,17.18 IC3.13
UNNAMED_3_NBSG53A_I298_R: length 1.8
  BOTTOM w0.254: IC3.15 45.25,16.5 R2.2
UNNAMED_3_NBSG53A_I298_SEL: length 1.6
  BOTTOM w0.254: IC3.14 45.75,16.59 45.7,16.54 R4.1
UNNAMED_3_NBSG53A_I298_VTCLK: length 4.6
  TOP w0.254: v1(42.99,17.76) v1(42.99,20.02)
  BOTTOM w0.254: IC3.4 43.99,19.64 43.37,19.64 v1(42.99,20.02) ; v1(42.99,17.76) 43.38,18.14 43.99,18.14 IC3.1
UNNAMED_3_NBSG53A_I298_VTD: length 4.9
  TOP w0.254: v1(46.7,21.3) v1(44.2,21.3)
  BOTTOM w0.254: v1(44.2,21.3) 44.38,21.3 44.69,20.99 44.69,20.46 IC3.5 ; IC3.8 46.19,20.46 46.19,20.73 46.53,21.07 46.53,21.13 v1(46.7,21.3)
UNNAMED_4_CAPCERSMDCL2_I90_B: length 2.5
  TOP w0.254: REG1.4 53.1,5.65 C11.2 v1(53,6.4)
UNNAMED_4_CAPCERSMDCL2_I119_A: length 1.2
  TOP w0.254: QZ1.4 21.5,14.9 C21.1
UNNAMED_4_CAPCERSMDCL2_I120_A: length 1.2
  TOP w0.254: C25.1 22.55,16 QZ1.5
UNNAMED_4_RSMD0402_I16_A: length 4.3
  TOP w0.254: R10.1 v1(28.3,19.83)
  BOTTOM w0.254: v1(28.3,19.83) 28.77,19.37 IC4.12
UNNAMED_4_RSMD0402_I47_A: length 2.8
  BOTTOM w0.254: 33.41,12.47 33.41,10.88 R13.1
UNNAMED_4_RSMD0402_I49_A: length 3.1
  TOP w0.254: v1(31.56,21.03) 31.56,20.54 31.44,20.42 R20.1
  BOTTOM w0.254: IC4.15 31.91,20.31 31.56,20.65 v1(31.56,21.03)
UNNAMED_4_RSMD0402_I50_A: length 2.5
  TOP w0.254: v1(32.33,20.78) 32.58,20.53 R21.1
  BOTTOM w0.254: v1(32.33,20.78) 32.33,20.29 32.41,20.21 IC4.16
UNNAMED_4_RSMD0402_I123_A: length 2.9
  BOTTOM w0.254: R26.1 35.5,10.69 34.41,11.79 34.41,12.47
UNNAMED_4_SI5344_I110_INTR: length 6.5
  BOTTOM w0.254: IC4.33 36.63,13.42 39.95,10.1 TP9.1
UNNAMED_4_SI5344_I110_LOL: length 13
  BOTTOM w0.254: IC4.27 37.68,16.42 37.69,16.43 38.9,16.43 38.94,16.39 39.81,16.39 45.43,10.77 46.03,10.77 TP10.1
UNNAMED_4_SI5344_I110_LOSXAXB: length 10.9
  BOTTOM w0.254: IC4.28 37.88,15.92 37.96,16 38.7,16 38.8,15.9 39.52,15.9 43.43,11.99 43.43,10.77 TP11.1
UNNAMED_5_74LCX04_I304_Y: length 5.3
  BOTTOM w0.254: 24.11,62.1 24.11,61.21 24.52,60.8 IC9.10 ; 24.11,62.1 IC9.12 ; 24.11,62.1 R47.1
UNNAMED_5_74LCX04_I317_A: length 12.5
  BOTTOM w0.254: 32.87,63.13 33.1,62.9 33.1,62.35 32.85,62.1 IC9.3 ; 32.87,63.13 32.6,63.4 IC9.1 ; 32.87,63.13 IC8.7
UNNAMED_5_74LCX04_I317_Y: length 9.2
  BOTTOM w0.254: IC9.4 30.78,61.45 30.43,61.79 30.43,62.41 30.46,62.43 ; 30.46,62.43 30.46,63.07 30.43,63.09 30.43,63.79 32.63,65.98 33.22,65.98 33.85,65.35 R49.1 ; 30.46,62.43 30.78,62.75 IC9.2
UNNAMED_5_74LCX04_I323_A: length 16.5
  BOTTOM w0.254: IC9.9 27.75,60.15 28.4,60.8 IC9.5 32.74,60.8 33.8,61.86 IC8.6
UNNAMED_5_74LCX04_I323_Y: length 8.8
  BOTTOM w0.254: R48.1 33.85,59.55 33.22,60.18 32.88,60.18 32.85,60.15 IC9.6 28.75,60.15 28.1,59.5 IC9.8
UNNAMED_5_ADCMP604_I256_: length 5.1
  BOTTOM w0.254: C51.2 R33.2 ; C51.2 33.35,3.35 33.13,3.13 32.59,3.13 ; C51.2 R44.1 ; R32.1 32.65,2.6 32.6,2.65 32.6,2.95 32.59,2.96 32.59,3.13 ; 32.59,3.13 IC5.4
UNNAMED_5_ADCMP604_I256__1: length 2.8
  BOTTOM w0.254: C50.2 34.41,5.55 34,5.55 R44.2 33.11,5.45 33.05,5.51 IC5.3
UNNAMED_5_ADCMP604_I285_: length 3.2
  BOTTOM w0.254: R36.2 C52.2 57.05,66.25 ; R35.1 57.05,66.25 ; 57.05,66.25 IC6.4
UNNAMED_5_ADCMP604_I294_: length 3.2
  BOTTOM w0.254: 57.05,60.4 IC7.4 ; 57.05,60.4 R37.1 ; 57.05,60.4 C53.2 R38.2
UNNAMED_5_PCOAX_I312_A: length 2.4
  TOP w0.254: PX4.1 v1(20.32,62.1)
  BOTTOM w0.254: R47.2 v1(20.32,62.1)
UNNAMED_5_PCOAX_I315_A: length 2.3
  TOP w0.254: v1(36.5,65.3) PX6.1
  BOTTOM w0.254: v1(36.5,65.3) R49.2
UNNAMED_5_PCOAX_I321_A: length 2.3
  TOP w0.254: PX5.1 v1(36.5,59.5)
  BOTTOM w0.254: v1(36.5,59.5) 36.5,59.5 R48.2
UNNAMED_6_CAPCERSMDCL2_I6_B: length 1
  TOP w0.254: R62.1 C74.2
UNNAMED_6_CAPCERSMDCL2_I7_B: length 1
  TOP w0.254: R63.1 C75.2
UNNAMED_11_ADN2814_I23_CF1: length 4.2
  BOTTOM w0.254: C39.1 23.55,25.85 24.18,26.48 24.39,26.48 24.91,27 25.57,27 26.29,27.72 IC12.15
UNNAMED_11_ADN2814_I23_CF2: length 3.6
  BOTTOM w0.254: IC12.14 26.79,27.09 25.5,25.8 C39.2
UNNAMED_11_ADN2814_I23_DATAOUTN: length 3.3
  BOTTOM w0.254: IC12.28 27.29,34.55 28.67,35.92 R53.1
UNNAMED_11_ADN2814_I23_DATAOUTP: length 4.8
  BOTTOM w0.254: IC12.29 27.79,34.41 28.39,35 30.15,35 30.42,35.27 R52.1
UNNAMED_11_ADN2814_I23_SADDRS: length 4.3
  TOP w0.254: v1(23.05,29.92) 23.5,30.37 R57.1
  BOTTOM w0.254: IC12.19 23.76,30.08 23.61,29.92 v1(23.05,29.92)
UNNAMED_11_ADN2814_I23_SQUELCH: length 2.7
  BOTTOM w0.254: IC12.27 26.79,35.06 27.02,35.28 R12.1
UNNAMED_11_ADN2814_I23_THRADJ: length 3.6
  BOTTOM w0.254: IC12.9 29.29,27.3 29,27.01 R34.2 28.7,26.75 28.2,26.25 C42.2
UNNAMED_11_ADN2814_I23_VREF: length 1.8
  BOTTOM w0.254: C38.2 31.05,31.7 30.93,31.58 IC12.3
UNNAMED_11_CAPCERSMDCL2_I317_A: length 7.3
  TOP w0.127: C73.1 R61.1 v1(46.4,30.25)
  BOTTOM w0.127: IC13.2 41.67,29.95 41.72,29.9 45.56,29.9 45.91,30.25 v1(46.4,30.25)
UNNAMED_11_CON20PSFP_I175_MODDE: length 3.9
  TOP w0.254: 32.14,48.72 33.34,48.72 v1(33.72,49.1)
  BOTTOM w0.254: J4.6 v1(33.72,49.1)
UNNAMED_11_CON20PSFP_I175_RATES: length 3.2
  TOP w0.254: v1(33.47,49.99) 32.14,49.99
  BOTTOM w0.254: J4.7 33.38,49.9 v1(33.47,49.99)
UNNAMED_11_CON20PSFP_I175_VCCR: length 8.3
  TOP w0.254: C63.2 38.56,48.97 38.43,48.85 v1(37.79,48.85) 38.43,49.49 C64.2 38.05,51.01 37.64,51.01 37.49,51.16 L1.1
  BOTTOM w0.254: v1(37.79,48.85) 38.34,48.85 38.49,48.7 J4.15
UNNAMED_11_CON20PSFP_I175_VCCT: length 9.4
  TOP w0.254: L2.2 39.98,47.7 C62.2 40.71,47.7 41.21,47.21 42.25,47.21 42.45,47.4 v1(43,47.4)
  BOTTOM w0.254: J4.16 40.64,47.9 40.91,47.63 40.92,47.63 41.17,47.37 41.17,47.13 41.25,47.05 42.65,47.05 43,47.4 v1(43,47.4)
UNNAMED_11_CON20PSFP_I175_VEER: length 3.9
  TOP w0.254: 32.14,52.53 v1(33.47,52.53)
  BOTTOM w0.254: J4.9 32.85,51.5 33.08,51.72 33.08,52.14 v1(33.47,52.53)
UNNAMED_11_LED1_I225_A: length 1.6
  TOP w0.254: LD1.1 45.1,56.65 v1(45.1,55.9)
  BOTTOM w0.254: R50.1 v1(45.1,55.9)
UNNAMED_11_LED1_I226_A: length 1.6
  TOP w0.254: LD2.1 43.5,55.91 v1(43.49,55.9)
  BOTTOM w0.254: v1(43.49,55.9) 43.5,55.89 R51.1
UNNAMED_11_LED1_I227_A: length 1.6
  TOP w0.254: v1(46.6,55.9) 46.6,56.65 LD3.1
  BOTTOM w0.254: v1(46.6,55.9) R56.1
UNNAMED_11_RSMD0402_I232_B: length 1.1
  BOTTOM w0.254: R50.2 44.9,54.05 IC18.6
UNNAMED_11_RSMD0402_I233_B: length 1
  BOTTOM w0.254: IC18.4 43.5,53.38 R51.2
UNNAMED_11_RSMD0402_I312_A: length 5
  TOP w0.254: R58.1 v1(34.32,31.6)
  BOTTOM w0.254: v1(34.32,31.6) 34.92,31.01 37.19,31.01 37.75,30.45 IC13.12
UNNAMED_11_RSMD0402_I313_A: length 5.1
  TOP w0.254: R59.1 v1(34.32,30)
  BOTTOM w0.254: IC13.11 37.66,29.95 37.46,30.16 37.02,30.59 34.92,30.59 v1(34.32,30)
UNNAMED_11_RSMD0402_I316_B: length 6.3
  TOP w0.127: R61.2 v1(46.4,29.35)
  BOTTOM w0.127: v1(46.4,29.35) 45.91,29.35 45.66,29.6 41.82,29.6 41.67,29.45 IC13.3

## Copper pours and planes (outline as drawn; the poured copper is in the pictures)
GND on L2_GND: 22.84,0.64 22.84,1.6 22.36,2.76 21.2,3.24 12.14,3.24 12.14,3.7 11.66,4.86 10.5,5.34 0.64,5.34 0.64,65.06 26.1,65.06 27.26,65.54 27.74,66.7 27.74,68.36 75.86,68.36 75.86,2.37 68.9,2.37 68.9,0.76 68.77,0.64
P1V8 on TOP: 33.4,8.6 32.4,9.6 33.4,10.6 38.5,10.6 39.21,10.89 39.5,11.6 39.5,19 39.21,19.71 38.5,20 35.5,20 34.79,20.29 34.5,21 34.5,22 34.35,22.35 34,22.5 27,22.5 26.65,22.65 26.5,23 26.5,23.4 26.65,23.75 27,23.9 41.8,23.9 42.51,23.61 42.8,22.9 42.8,6.2 43.09,5.49 43.8,5.2 53.4,5.2 54.11,4.91 54.4,4.2 54.4,3.3 54.11,2.59 53.4,2.3 42,2.3 41.29,2.59 41,3.3 41,7.6 40.71,8.31 40,8.6
P3V3 on L5_PWR: 22.84,0.64 22.84,1.6 22.36,2.76 21.2,3.24 12.14,3.24 12.14,3.7 11.66,4.86 10.5,5.34 0.64,5.34 0.64,12 0.63,19.3 0.64,42.1 0.63,42.11 0.64,65.06 26.1,65.06 27.26,65.54 27.74,66.7 27.74,68.36 75.86,68.36 75.86,2.37 68.9,2.37 68.9,0.64
CVCC on L5_PWR: 53.7,8.2 65.73,8.2 65.73,23.8 56.8,23.8 56.8,52.2 53.3,52.2 53.3,26 43.5,26 43.5,21 53.7,21
AGND on TOP: 0.64,35.9 7.9,35.9 9.31,35.31 9.9,33.9 9.9,17.1 9.31,15.69 7.9,15.1 0.64,15.1

## Text on the board
BOTTOM: 6
TOP: 1
Ref Des/Silkscreen Top: PROTODUNE | D. Cussans, P. Baesso
L2_GND: 2
L3_SIGN: 3
L4_SIGN: 4
L5_PWR: 5
PAGE_OUTLINE: 4
User.9: GROUND PLANE | 3
User.45: Figure | Dia. | 0.30 | 0.40 | 0.70 | 0.80 | 0.85 | 0.95 | 1.00 | 1.05 | 2.50 | 2.70 | 1.30 | 1.40 | Metric Drill Legend TOP to BOTTOM | Drill sizes are considered finished. | ALL UNITS ARE IN MILLIMETERS | Tol. | +0.05/-0.05 | TYPE | PLATED | NON-PLATED | QTY | 169 | 175 | 4 | 12 | 1 | 9 | 21 | 6 | 10 | 2 | 417 | TOTAL HOLES:
